# Altium PCB 测试板2.PcbDoc (part 1 of 2)
Units mm, origin at the board's own origin, x right, y up, seen from the top; angles counter-clockwise.
Board outline 90 x 100 mm, 2 copper layers (Top Layer, Bottom Layer); 63 components, 149 nets, 429 pads, 115 vias.
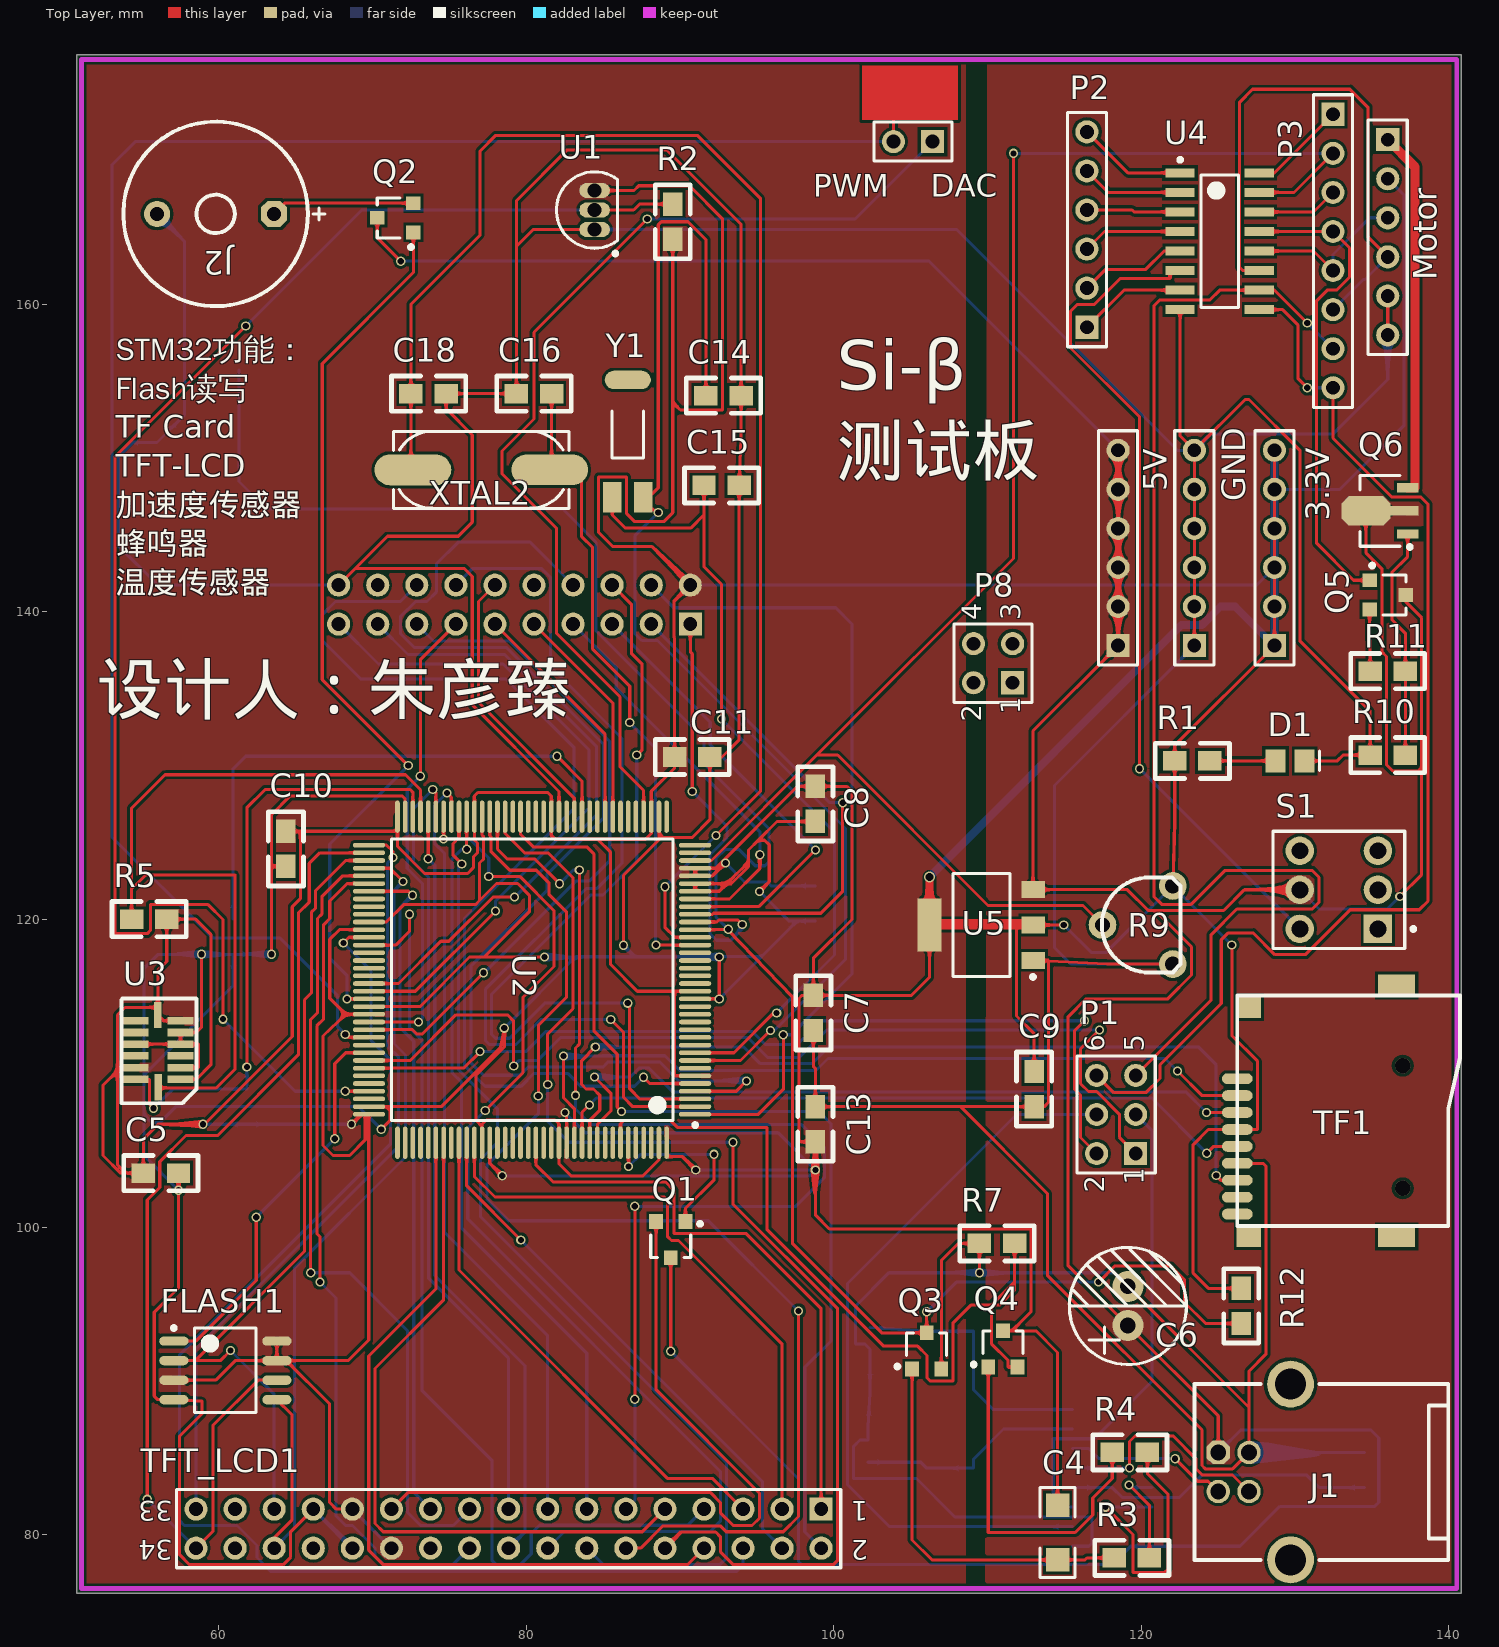
[diagram p0: Top Layer view]
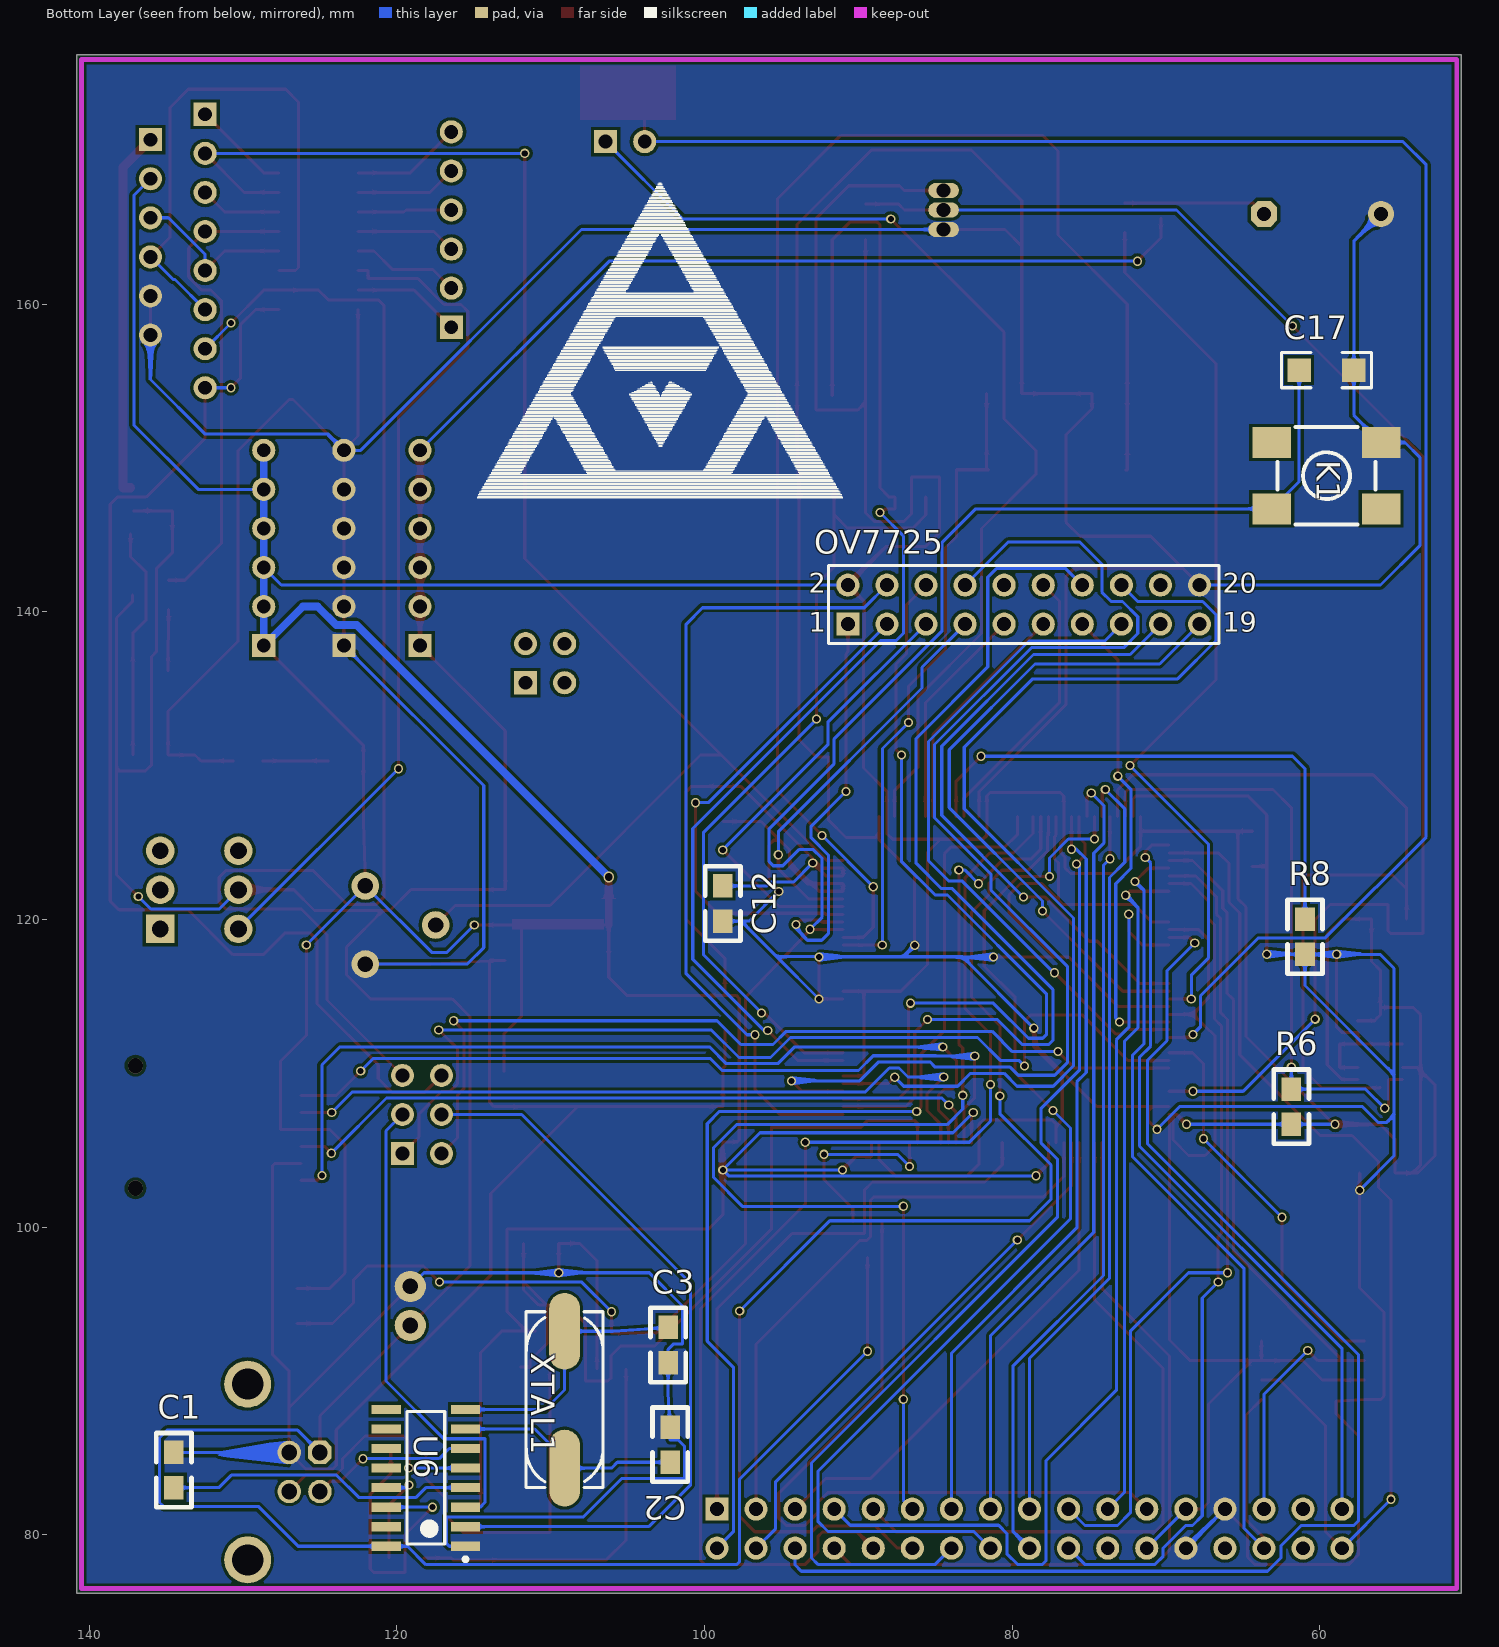
[diagram p1: Bottom Layer view, seen from below]

## Layer stack, top to bottom
Top Solder: solder mask 0.0102, Solder Resist, Dk 3.5
Top Layer: signal copper 0.0356
Dielectric 1: dielectric 0.32, FR-4, Dk 4.8
Bottom Layer: signal copper 0.0356
Bottom Solder: solder mask 0.0102, Solder Resist, Dk 3.5

## Board outline
50.8,76.2 140.8,76.2 140.8,176.2 50.8,176.2

## Design rules (kind name [scope] priority, off if disabled: settings)
Clearance [All] p1: gap=0.2
PolygonConnect [All] p1: connectstyle=Direct reliefconductorwidth=0.254 reliefentries=4 polygonreliefangle="90 Angle" airgapwidth=0.254
RoutingVias [All] p1: holewidth=0.4 width=0.6 viastyle="Blind Buried (Adjacent Layers)" minholewidth=0.3 minwidth=0.5 maxholewidth=0.711 maxwidth=1.27
SolderMaskExpansion [All] p1: expansion=0.102
Width [All] p1: maxlimit=0.6 minlimit=0.2 preferedwidth=0.2
30 further rules are at their usual default settings.

## Classes and differential pairs
net class Route: ADC ANALOG0 ANALOG1 ANALOG2 ANALOG3 ANALOG4 ANALOG6 ANALOG7 ANALOG8 BEEP_OE BOOT0 CAMERA_D0 CAMERA_D1 CAMERA_D2 CAMERA_D3 CAMERA_D4 CAMERA_D5 CAMERA_D6 CAMERA_D7 CAMERA_OE CAMERA_RCLK CAMERA_RRST CAMERA_SCL CAMERA_SDA CAMERA_VSYNC CAMERA_WEN CAMERA_WRST DAC1 DS18B20_DATA DTR FLASH_CS FSMC_A0 FSMC_A1 FSMC_A2 FSMC_A3 FSMC_A4 FSMC_A5 FSMC_A6 FSMC_A7 FSMC_A8 FSMC_A9 FSMC_A10 FSMC_A11 FSMC_A12 FSMC_A13 FSMC_A14 FSMC_A15 FSMC_A16 FSMC_A17 FSMC_A18 FSMC_CLK FSMC_D0 FSMC_D1 FSMC_D2 FSMC_D3 FSMC_D4 FSMC_D5 FSMC_D6 FSMC_D7 FSMC_D8 FSMC_D9 FSMC_D10 FSMC_D11 FSMC_D12 FSMC_D13 FSMC_D14 FSMC_D15 FSMC_NBL0 FSMC_NBL1 FSMC_NCE4 FSMC_NE4 FSMC_NOE FSMC_NWE GPIO_OUT_0 GPIO_OUT_1 GPIO_OUT_2 GPIO_OUT_3 GPIO_OUT_4 GPIO_OUT_5 GPIO_OUT_6 GPIO_OUT_7 GPIO_OUT_8 GPIO_OUT_9 GPIO_OUT_10 IIC1_SCL IIC1_SDA IIC2_SCL IIC2_SDA INT0 INT1 LCD_BK LCD_LED MOTOR_PWM NetC1_1 NetC4_2 NetCH1_5 NetCH1_6 NetD1_1 NetJ2_1 NetP2_1 NetP2_2 NetP2_3 NetP2_4 NetP2_5 NetP2_6 NetP3_1 NetP3_3 NetP4_1 NetQ4_1 NetQ5_2 NetQ6_1 NetR8_2 NetS1_2 NRST OSC32_IN OSC32_OUT OSC_IN OSC_OUT PWM1 PWM2 RTS SPI1_CSK SPI1_MISO SPI1_MOSI SPI2_MISO SPI2_MOSI SPI2_SCK STC15_RXD STC15_TXD STM32_RXD STM32_TXD TF_CS TF_MISO TF_MOSI TF_SCK TOUCH_CS USART1_RXD USART1_TXD USART2_RXD USART2_TXD USART3_RXD USART3_TXD USBDM USBDP XI XO

## Components (designator, comment, footprint, x,y, rotation, side; value= is the part's Value field where it differs from the comment)
3.3V "3.3V" HDR1X6 128.651,137.795 r90 top (schematic designator P5)
5V "5V" HDR1X6 118.491,137.795 r90 top (schematic designator P7)
C1 "Cap" 0805 134.493,83.058 r90 bottom
C2 "CAP" 0805 102.235,86.995 r270 bottom
C3 "CAP" 0805 102.362,91.186 r90 bottom
C4 "Cap" 1206 114.554,80.137 r270 top
C5 "Cap" 0805 57.404,103.505 r180 top
C6 "Cap Pol2" RB.1/.3 119.126,93.599 r270 top
C7 "Cap" 0805 98.679,112.776 r90 top
C8 "Cap" 0805 98.806,126.365 r90 top
C9 "Cap" 0805 113.03,107.823 r90 top
C10 "Cap" 0805 64.389,123.444 r90 top
C11 "Cap" 0805 91.948,130.556 r180 top
C12 "Cap" 0805 98.806,119.888 r90 bottom
C13 "Cap" 0805 98.806,107.823 r270 top
C14 "CAP" 0805 93.98,154.051 r180 top
C15 "CAP" 0805 93.853,148.209 r180 top
C16 "CAP" 0805 79.375,154.178 r0 top
C17 "Cap" 1206 59.563,155.702 r0 bottom
C18 "CAP" 0805 74.803,154.178 r180 top
D1 "LED0" LED-0805 129.667,130.302 r0 top
DAC "Header 2" HDR1X2 106.426,170.561 r180 top
FLASH1 "W25Q64" 8S2_L 60.452,90.678 r0 top
GND "GND" HDR1X6 123.444,137.795 r90 top (schematic designator P6)
J1 "USB" USB_B1 124.968,84.074 r0 top
J2 "BEEP-S" BEEP-S 59.817,165.862 r180 top
K1 "button" SW_PB4_A1 59.563,148.844 r180 bottom
Motor "Motor" HDR1X6 136.017,170.688 r270 top (schematic designator P4)
OV7725 "OV7725摄像头" HDR2X10 90.678,139.192 r180 bottom (schematic designator OV1)
P1 "Change" HDR2X3 119.634,104.775 r90 top
P2 "Header 6" HDR1X6 116.459,158.496 r90 top
P3 "Header 8" HDR1X8 132.461,172.339 r270 top
P8 "Stick" HDR2X2 111.633,135.382 r90 top
Q1 "NPN" SOT23-3 89.408,99.187 r180 top
Q2 "NPN" SOT23-3 71.501,165.608 r90 top
Q3 "NPN" SOT23-3 106.045,91.948 r0 top
Q4 "NPN" SOT23-3 110.998,92.075 r0 top
Q5 "NPN" SOT23-3 136.017,141.097 r270 top
Q6 "NPN" SOT89N 135.509,146.558 r180 top
R1 "Res2" 0805 122.174,130.302 r0 top
R2 "Res2" 0805 89.535,164.211 r90 top
R3 "Res2" 0805 118.237,78.486 r0 top
R4 "Res2" 0805 118.11,85.344 r0 top
R5 "Res2" 0805 56.642,120.015 r180 top
R6 "Res2" 0805 61.849,106.68 r90 bottom
R7 "Res2" 0805 109.474,98.933 r0 top
R8 "Res2" 0805 60.96,117.729 r90 bottom
R9 "10K" RVR-2 121.031,119.634 r270 top
R10 "Res2" 0805 134.874,130.683 r0 top
R11 "Res2" 0805 134.874,136.144 r0 top
R12 "RES" 0805 126.492,93.726 r90 top
S1 "SW-SPST" SWITCH_B1 132.842,121.92 r180 top
TF1 "TF CARD" TFP09-2-12B 126.492,107.442 r90 top
TFT_LCD1 "Component_1" HDR2X17 99.187,81.661 r180 top
U1 "DS18B20" TO-92A 84.455,166.116 r0 top
U2 "STM32F103ZET6" TQFP-144 80.391,116.078 r180 top
U3 "ADXL345" PCBComponent_1 56.261,114.3 r180 top
U4 "STC15W408AS" SOIC127P600X170-16N 125.095,164.084 r0 top
U5 "ASM1117" SOT223 109.601,119.634 r90 top
U6 "Component_1" SOIC127P600X170-16N 118.11,83.693 r0 bottom (schematic designator CH1)
XTAL1 "CRYSTAL" X-SM49 109.093,88.773 r90 bottom
XTAL2 "CRYSTAL" X-SM49 77.089,149.225 r180 top
Y1 "32K晶振" X-TC15 86.614,147.447 r180 top

## Footprints (in the part's own frame and the unit in brackets; to place one, negate y for a bottom-side part, rotate by r counter-clockwise, add the part's x,y. Pads: shape width x height; smd on the part's side, far side on the other; paste and mask are expansions set on the pad)
8S2_L [mm] "8-Pin Small Outline Package 1.27 mm Pitch, IPC High Density"
  oval 1.9x0.6 smd: 1(-3.35,1.905) 2(-3.35,0.635) 3(-3.35,-0.635) 4(-3.35,-1.905) 5(3.35,-1.905) 6(3.35,-0.635) 7(3.35,0.635) 8(3.35,1.905)
  silkscreen extent -3.47,-2.75 2,2.88, body extent -2.73,-2.75 2.73,2.75, height 2.03
0805 [mil]
  rect 60x50 smd: 1(0,0) 2(90,0)
  silkscreen extent -50,-45 140,45
1206 [mil] "贴片元件"
  rect 60x60 smd: 1(-70,0) 2(70,0)
  silkscreen extent -115,-45 115,45, body extent -75,-35 75,35, height 39
BEEP-S [mm] "有源蜂鸣器"
  oct 1.7x1.7 hole 0.9: 1(-3.8,0)
  round 1.7 hole 0.9: 2(3.8,0)
  silkscreen extent -7.11,-6 6,6
HDR1X2 [mm] "Connector; Header; 2 Position"
  rect 1.5x1.5 hole 0.9: 1(0,0)
  round 1.5 hole 0.9: 2(2.54,0)
  silkscreen extent -1.27,-1.27 3.81,1.27
HDR1X6 [mm] "Connector; Header; 6 Position"
  rect 1.5x1.5 hole 0.9: 1(0,0)
  round 1.5 hole 0.9: 2(2.54,0) 3(5.08,0) 4(7.62,0) 5(10.16,0) 6(12.7,0)
  silkscreen extent -1.27,-1.27 13.97,1.27
HDR1X8 [mm] "Connector; Header; 8 Position"
  rect 1.5x1.5 hole 0.9: 1(0,0)
  round 1.5 hole 0.9: 2(2.54,0) 3(5.08,0) 4(7.62,0) 5(10.16,0) 6(12.7,0) 7(15.24,0) 8(17.78,0)
  silkscreen extent -1.27,-1.27 19.05,1.27
HDR2X2 [mm] "Connector; Header; 2x2 Position"
  rect 1.5x1.5 hole 0.9: 1(0,0)
  round 1.5 hole 0.9: 2(0,2.54) 3(2.54,0) 4(2.54,2.54)
  silkscreen extent -1.27,-1.27 3.81,3.81
HDR2X3 [mm] "Connector; Header; 3x2 Position"
  rect 1.5x1.5 hole 0.9: 1(0,0)
  round 1.5 hole 0.9: 2(0,2.54) 3(2.54,0) 4(2.54,2.54) 5(5.08,0) 6(5.08,2.54)
  silkscreen extent -1.27,-1.27 6.35,3.81
HDR2X10 [mm] "Connector; Header; 10x2 Position"
  rect 1.5x1.5 hole 0.9: 1(0,0)
  round 1.5 hole 0.9: 2(0,2.54) 3(2.54,0) 4(2.54,2.54) 5(5.08,0) 6(5.08,2.54) 7(7.62,0) 8(7.62,2.54) 9(10.16,0) 10(10.16,2.54) 11(12.7,0) 12(12.7,2.54) 13(15.24,0) 14(15.24,2.54) 15(17.78,0) 16(17.78,2.54) 17(20.32,0) 18(20.32,2.54) 19(22.86,0) 20(22.86,2.54)
  silkscreen extent -1.27,-1.27 24.13,3.81
HDR2X17 [mm] "Connector; Header; 17x2 Position"
  rect 1.5x1.5 hole 0.9: 1(0,0)
  round 1.5 hole 0.9: 2(0,2.54) 3(2.54,0) 4(2.54,2.54) 5(5.08,0) 6(5.08,2.54) 7(7.62,0) 8(7.62,2.54) 9(10.16,0) 10(10.16,2.54) 11(12.7,0) 12(12.7,2.54) 13(15.24,0) 14(15.24,2.54) 15(17.78,0) 16(17.78,2.54) 17(20.32,0) 18(20.32,2.54) 19(22.86,0) 20(22.86,2.54) 21(25.4,0) 22(25.4,2.54) 23(27.94,0) 24(27.94,2.54) 25(30.48,0) 26(30.48,2.54) 27(33.02,0) 28(33.02,2.54) 29(35.56,0) 30(35.56,2.54) 31(38.1,0) 32(38.1,2.54) 33(40.64,0) 34(40.64,2.54)
  silkscreen extent -1.27,-1.27 41.91,3.81
LED-0805 [mm] "贴片LED"
  rect 1.3x1.5 smd: 1(-0.95,0) 2(0.95,0)
  silkscreen extent 1.91,-0.64 1.91,0.64
PCBComponent_1 [mm]
  rect 1.7x0.5 smd: 1(-1.27,4.699) 2(-1.27,3.937) 3(-1.27,3.175) 4(-1.27,2.413) 5(-1.27,1.651) 6(-1.27,0.889) 8(1.651,0.889) 9(1.651,1.651) 10(1.651,2.413) 11(1.651,3.175) 12(1.651,3.937) 13(1.651,4.699)
  rect 0.5x1.7 smd: 7(0.195,0.518) 14(0.176,5.21)
  silkscreen extent -2.31,-0.55 2.57,6.26
RB.1/.3 [mil]
  round 80 hole 40: 1(0,0) 2(-100,0)
  silkscreen extent -200,-150 100,150
RVR-2 [mm]
  round 1.8 hole 1: 1(-2.54,1.016) 2(0,-3.556) 3(2.54,1.016)
  silkscreen extent -3.09,-3.6 3.09,1.52, body extent -3.2,-4.52 3.2,2.48, height 7.5
SOIC127P600X170-16N [mm] "SOIC, 16-Leads, Body 8.6x4.0mm (max), Pitch 1.27mm, IPC Medium Density"
  rect 1.9x0.6 smd: 1(-2.575,4.445) 2(-2.575,3.175) 3(-2.575,1.905) 4(-2.575,0.635) 5(-2.575,-0.635) 6(-2.575,-1.905) 7(-2.575,-3.175) 8(-2.575,-4.445) 9(2.575,-4.445) 10(2.575,-3.175) 11(2.575,-1.905) 12(2.575,-0.635) 13(2.575,0.635) 14(2.575,1.905) 15(2.575,3.175) 16(2.575,4.445)
  silkscreen extent -2.7,-4.3 1.22,5.42, body extent -1.98,-4.28 1.97,4.28, height 1.7
SOT23-3 [mm]
  rect 0.9x0.95 smd: 1(-0.95,-1.175) 2(0.95,-1.175) 3(0,1.175)
  silkscreen extent -2.03,-1.14 1.3,1.18, body extent -1.45,-1.4 1.45,1.4, height 1.2
SOT89N [mm] "SOT89, 3-Leads, Body 4.5x2.4 mm, Pitch 1.5mm, Lead Span 4.1mm, IPC Medium Density"
  rect 1.4x0.6 smd: 1(-1.8,1.5) 3(-1.8,-1.5)
  rect 1.8x0.6 smd: 2(-1.6,0)
  oct 3.2x1.9 smd: 2(0.9,0)
  silkscreen extent -2.07,-2.3 1.3,2.47, body extent -1.3,-2.3 1.3,2.3, height 1.6
SOT223 [mm]
  rect 1.1x1.55 smd: 1(-2.3,-3.375) 2(0,-3.375) 3(2.3,-3.375)
  rect 3.45x1.55 smd: 4(0,3.375)
  silkscreen extent -3.5,-3.48 3.35,1.85, body extent -3.25,-3.48 3.25,3.48, height 1.7
SW_PB4_A1 [mm]
  rect 2.5x2 smd: 1(-3.556,2.159) 2(-3.556,-2.159) 3(3.556,-2.159) 4(3.556,2.159)
  silkscreen extent -3.17,-3.18 3.17,3.18, body extent -3.18,-3.18 3.18,3.18, height 6
SWITCH_B1 [mm] "单刀"
  rect 1.85x1.85 hole 1.1: 1(-2.54,2.54)
  round 1.85 hole 1.1: 2(-2.54,0) 3(-2.54,-2.54) 4(2.54,-2.54) 5(2.54,0) 6(2.54,2.54)
  silkscreen extent -4.96,-3.81 4.28,3.81
TFP09-2-12B [mm]
  oval 0.7x2 smd: 1(2.2,0.254) 2(1.1,0.254) 3(0,0.254) 4(-1.1,0.254) 5(-2.2,0.254) 6(-3.3,0.254) 7(-4.4,0.254) 8(-5.5,0.254) 9(-6.6,0.254)
  rect 1.4x1.6 smd: 10(6.85,-0.5) 11(-8.054,-0.5)
  rect 1.4x2.4 smd: 12(8.258,-10.1) 13(-8.054,-10.1)
  silkscreen extent -7.37,-14.22 7.62,0.25
TO-92A [mm] "TO, Flat Index; 3 In-Line, Axial Leads; Body Dia. 4.5mm; Leads 0.51 x 0.48 mm (max)"
  oval 2x1 hole 0.9: 1(0,-1.27) 2(0,0) 3(0,1.27)
  silkscreen extent -2.48,-2.95 1.5,2.48, body extent -2.5,-2.5 1.5,2.5, height 6.86
TQFP-144 [mm] "TTM32V103ZET6"
  oval 2.1x0.3 smd: 1(-10.6,8.75) 2(-10.6,8.25) 3(-10.6,7.75) 4(-10.6,7.25) 5(-10.6,6.75) 6(-10.6,6.25) 7(-10.6,5.75) 8(-10.6,5.25) 9(-10.6,4.75) 10(-10.6,4.25) 11(-10.6,3.75) 12(-10.6,3.25) 13(-10.6,2.75) 14(-10.6,2.25) 15(-10.6,1.75) 16(-10.6,1.25) 17(-10.6,0.75) 18(-10.6,0.25) 19(-10.6,-0.25) 20(-10.6,-0.75) 21(-10.6,-1.25) 22(-10.6,-1.75) 23(-10.6,-2.25) 24(-10.6,-2.75) 25(-10.6,-3.25) 26(-10.6,-3.75) 27(-10.6,-4.25) 28(-10.6,-4.75) 29(-10.6,-5.25) 30(-10.6,-5.75) 31(-10.6,-6.25) 32(-10.6,-6.75) 33(-10.6,-7.25) 34(-10.6,-7.75) 35(-10.6,-8.25) 36(-10.6,-8.75) 73(10.6,-8.75) 74(10.6,-8.25) 75(10.6,-7.75) 76(10.6,-7.25) 77(10.6,-6.75) 78(10.6,-6.25) 79(10.6,-5.75) 80(10.6,-5.25) 81(10.6,-4.75) 82(10.6,-4.25) 83(10.6,-3.75) 84(10.6,-3.25) 85(10.6,-2.75) 86(10.6,-2.25) 87(10.6,-1.75) 88(10.6,-1.25) 89(10.6,-0.75) 90(10.6,-0.25) 91(10.6,0.25) 92(10.6,0.75) 93(10.6,1.25) 94(10.6,1.75) 95(10.6,2.25) 96(10.6,2.75) 97(10.6,3.25) 98(10.6,3.75) 99(10.6,4.25) 100(10.6,4.75) 101(10.6,5.25) 102(10.6,5.75) 103(10.6,6.25) 104(10.6,6.75) 105(10.6,7.25) 106(10.6,7.75) 107(10.6,8.25) 108(10.6,8.75)
  oval 0.3x2.1 smd: 37(-8.75,-10.6) 38(-8.25,-10.6) 39(-7.75,-10.6) 40(-7.25,-10.6) 41(-6.75,-10.6) 42(-6.25,-10.6) 43(-5.75,-10.6) 44(-5.25,-10.6) 45(-4.75,-10.6) 46(-4.25,-10.6) 47(-3.75,-10.6) 48(-3.25,-10.6) 49(-2.75,-10.6) 50(-2.25,-10.6) 51(-1.75,-10.6) 52(-1.25,-10.6) 53(-0.75,-10.6) 54(-0.25,-10.6) 55(0.25,-10.6) 56(0.75,-10.6) 57(1.25,-10.6) 58(1.75,-10.6) 59(2.25,-10.6) 60(2.75,-10.6) 61(3.25,-10.6) 62(3.75,-10.6) 63(4.25,-10.6) 64(4.75,-10.6) 65(5.25,-10.6) 66(5.75,-10.6) 67(6.25,-10.6) 68(6.75,-10.6) 69(7.25,-10.6) 70(7.75,-10.6) 71(8.25,-10.6) 72(8.75,-10.6) 109(8.75,10.6) 110(8.25,10.6) 111(7.75,10.6) 112(7.25,10.6) 113(6.75,10.6) 114(6.25,10.6) 115(5.75,10.6) 116(5.25,10.6) 117(4.75,10.6) 118(4.25,10.6) 119(3.75,10.6) 120(3.25,10.6) 121(2.75,10.6) 122(2.25,10.6) 123(1.75,10.6) 124(1.25,10.6) 125(0.75,10.6) 126(0.25,10.6) 127(-0.25,10.6) 128(-0.75,10.6) 129(-1.25,10.6) 130(-1.75,10.6) 131(-2.25,10.6) 132(-2.75,10.6) 133(-3.25,10.6) 134(-3.75,10.6) 135(-4.25,10.6) 136(-4.75,10.6) 137(-5.25,10.6) 138(-5.75,10.6) 139(-6.25,10.6) 140(-6.75,10.6) 141(-7.25,10.6) 142(-7.75,10.6) 143(-8.25,10.6) 144(-8.75,10.6)
  silkscreen extent -10.73,-9.15 9.15,9.57, body extent -10,-10 10,10, height 1.6
USB_B1 [mil] "USB方孔"
  oct 60x60 hole 40: 1(1.26,50)
  round 60 hole 40: 2(1.26,-50) 3(80,-50) 4(80,50)
  round 120 hole 80: 5(186.3,225) 6(186.3,-225)
  silkscreen extent -60,-225 590,225
X-SM49 [mm]
  oval 5x2 smd: 1(4.45,0.004) 2(-4.45,-0.004)
  silkscreen extent -5.7,-2.5 5.72,2.5, body extent -6.7,-2.46 6.7,2.44, height 4
X-TC15 [mm] "圆柱晶振1"
  rect 1.2x2 smd: 1(-1,0) 2(1,0)
  oval 3x1.2 smd: 3(0,-7.62)
  silkscreen extent -1.02,-5.59 1.02,-2.54, body extent -1,-8.29 1,0, height 1.99

## Part data
3.3V 5V GND Motor: library part "Header 6", "Header, 6-Pin"
C1 C4 C5 C7 C8 C9 C10 C11 C12 C13 C17: "Capacitor"
C6: "Polarized Capacitor (Axial)"
D1: "发光二极管"
DAC: "Header, 2-Pin"
J1: "USB接口"
J2: "有源蜂鸣器"
P1: library part "Header 3X2", "Header, 3-Pin, Dual row"
P2: "Header, 6-Pin"
P3: "Header, 8-Pin"
P8: library part "Header 2X2", "Header, 2-Pin, Dual row"
Q1 Q2 Q3 Q4 Q5 Q6: library part NPN1, "贴片三极管"
R1 R2 R3 R4 R5 R6 R7 R8 R10 R11: "Resistor"
R9: library part VR
S1: "Single-Pole, Single-Throw Switch"
U1: "温度传感器"
U5: "3.3V稳压芯片"

## Via types
v1: diameter 0.6, hole 0.4, Top Layer to Bottom Layer, 112 vias
v2: diameter 1, hole 1, Top Layer to Bottom Layer, 2 vias
v3: diameter 0.7, hole 0.5, Top Layer to Bottom Layer, 1 vias

## Nets (pads, with @x,y where several pads share a name; then routed paths per layer and width w, separated by ;. In a path a pad name is that pad's centre, name@x,y a point inside that pad or via, vN(x,y) a via of type N, cw(c..) or ccw(c..) an arc to the next point about the centre after c; other vN are vias at no path point)
3.3V: 3.3V.1 3.3V.2 3.3V.3 3.3V.4 3.3V.5 3.3V.6 C4.1 C5.2 C7.2 C8.2 C9.2 C10.2 C11.2 C12.2 C13.2 FLASH1.3 FLASH1.7 FLASH1.8 Motor.2 OV7725.2 Q4.3 R1.1 R2.1 R5.1 R6.1 R9.1 R12.2 TF1.4 TFT_LCD1.24 TFT_LCD1.25 U1.3 U2.6 U2.17 U2.32 U2.33 U2.39 U2.52 U2.62 U2.72 U2.84 U2.95 U2.108 U2.121 U2.131 U2.144 U3.1 U3.6 U3.7 U3.12 U5.2 U5.4 | length 653.9
  Top Layer w0.2: U3.12@54.61,110.363 53.645,110.363 53.442,110.16 ; FLASH1.3@57.102,90.043 59.817,90.043 61.087,91.313 FLASH1.7@63.802,91.313 ; U3.1@57.531,109.601 58.572,109.601 59.512,110.541 59.512,119.024 58.522,120.015 R5.1@56.642,120.015 56.642,117.264 56.066,116.688 U3.7@56.066,114.275 ; U3.6@57.531,113.411 56.437,113.411 U3.7@56.066,113.782 U3.7@56.066,114.275 ; v1(59.004,106.68) 56.083,106.68 ; FLASH1.8@63.802,92.583 FLASH1.7@63.802,91.313 ; C10.2@64.389,125.73 65.329,125.73 ; v1(68.656,106.68) 69.304,107.328 U2.108@69.545,107.328 ; TFT_LCD1.25@68.707,81.661 67.666,81.661 67.234,82.093 67.234,88.494 FLASH1.7@64.414,91.313 ; U2.108@69.791,107.328 U2.108@69.774,107.328 ; U2.95@69.791,113.828 68.275,113.828 ; U2.84@69.791,119.328 67.869,119.328 67.241,118.7 67.241,114.862 68.275,113.828 ; U2.72@71.641,126.678 U2.72@71.641,125.73 ; U2.121@77.641,105.478 77.641,104.14 v1(78.453,103.328) ; v1(82.525,107.442) 82.641,107.326 U2.131@82.641,105.478 ; U1.3@84.455,167.386 87.02,167.386 87.325,167.691 90.625,167.691 92.761,165.555 92.761,153.111 90.043,153.111 89.535,153.619 ; U2.144@89.141,105.478 89.141,104.572 90.17,104.572 v1(91.034,103.708) ; R2.1@89.535,164.211 89.535,153.619 ; U2.6@90.991,109.828 89.637,109.828 89.637,115.328 ; U2.17@90.991,115.328 89.637,115.328 ; v1(92.964,123.673) 92.119,122.828 U2.32@90.991,122.828 U2.33@90.991,123.328 92.329,123.328 97.652,128.651 C8.2@98.806,128.651 100.842,128.651 101.194,128.3 101.194,119.99 98.679,117.475 C7.2@98.679,115.062 ; Q4.3@110.998,93.25 111.589,93.25 ; C9.2@113.03,110.109 113.03,112.573 111.887,113.716 111.887,119.355 112.166,119.634 ; C4.1@114.554,81.915 114.554,91.846 113.15,93.25 111.589,93.25 ; v1(114.96,119.634) U5.2@112.976,119.634 112.166,119.634 ; R9.1@122.047,122.174 122.174,126.365 R1.1@122.174,130.302 122.174,131.318 3.3V.1@128.651,137.795 3.3V.2@128.651,140.335 3.3V.3@128.651,142.875 3.3V.4@128.651,145.415 3.3V.5@128.651,147.955 3.3V.6@128.651,150.495 ; v1(125.882,118.339) 125.882,112.446 127.559,110.769 127.559,106.342 TF1.4@126.238,106.342 124.358,106.342 123.368,105.351 123.368,97.003 124.358,96.012 R12.2@126.492,96.012 ; 53.442,110.16 53.442,104.038 53.975,103.505 ; 53.442,110.16 53.442,113.792 53.924,114.275 U3.7@56.066,114.275 ; 53.442,110.16 52.502,109.22 52.502,104.648 53.645,103.505 53.975,103.505 ; 53.975,103.505 C5.2@55.118,103.505 55.118,105.715 56.083,106.68 ; 56.083,106.68 58.966,106.553 64.8,112.387 64.8,120.815 65.329,121.343 65.329,125.73 ; FLASH1.7@63.802,91.313 FLASH1.7@64.414,91.313 ; FLASH1.7@64.414,91.313 68.428,91.313 69.774,92.659 U2.108@69.774,107.328 ; 65.329,125.73 U2.72@71.641,125.73 ; 68.275,113.828 66.8,112.419 66.8,105.298 67.451,104.648 68.529,104.648 69.545,105.664 U2.108@69.545,107.328 ; U2.108@69.545,107.328 U2.108@69.774,107.328 ; U2.72@71.641,125.73 71.641,124.746 73.4,122.987 76.2,122.987 76.575,123.362 76.575,124.06 76.841,124.326 76.841,124.968 76.641,125.168 U2.62@76.641,126.678 76.641,128.016 76.87,128.245 81.412,128.245 81.641,128.016 U2.52@81.641,126.678 81.641,125.471 ; 81.641,125.471 81.904,125.207 87.771,125.207 88.141,125.578 U2.39@88.141,126.678 88.141,128.324 89.662,129.845 C11.2@89.662,130.556 89.662,138.303 89.611,138.354 89.611,140.665 OV7725.2@90.678,141.732 88.163,144.247 85.623,144.247 84.709,145.161 84.709,148.768 86.538,148.768 86.538,146.376 87.057,145.856 88.951,145.856 89.535,146.441 89.535,153.619 ; 81.641,125.471 81.641,125.445 81.89,125.197 84.658,125.197 85.496,124.358 85.496,117.069 87.237,115.328 89.637,115.328 ; C7.2@98.679,115.062 105.058,115.062 106.226,116.23 U5.4@106.226,119.634 112.166,119.634 ; C7.2@98.679,115.062 97.942,115.062 97.739,114.859 97.739,105.664 97.866,105.537 C13.2@98.806,105.537 v1(98.806,103.708) 98.806,100.787 99.72,99.873 112.827,99.873 112.827,94.488 111.589,93.25
  Top Layer w0.5: U5.4@106.226,119.634 v3(106.226,122.755)
  Bottom Layer w0.2: v1(59.004,106.68) R6.1@61.849,106.68 v1(68.656,106.68) ; TFT_LCD1.25@68.707,81.661 TFT_LCD1.24@71.247,79.121 ; v1(78.453,103.328) 98.426,103.328 v1(98.806,103.708) ; v1(82.525,107.442) 83.839,106.127 96.387,106.127 v1(98.806,103.708) ; OV7725.2@90.678,141.732 127.508,141.732 3.3V.3@128.651,142.875 ; v1(91.034,103.708) v1(98.806,103.708) ; v1(92.964,123.673) 94.202,122.434 95.682,122.434 95.942,122.174 C12.2@98.806,122.174 ; v1(114.96,119.634) 116.738,117.856 117.729,117.856 R9.1@122.047,122.174 v1(125.882,118.339) ; 3.3V.5@128.651,147.955 132.918,147.955 137.084,152.121 137.084,167.081 Motor.2@136.017,168.148
  Bottom Layer w0.5: v3(106.226,122.755) 122.606,139.135 123.941,139.135 125.141,140.335 126.111,140.335 3.3V.1@128.651,137.795 3.3V.2@128.651,140.335 3.3V.3@128.651,142.875 3.3V.4@128.651,145.415 3.3V.5@128.651,147.955 3.3V.6@128.651,150.495
ADC: P3.2 R9.2 U2.34 U4.15 | length 104.9
  Top Layer w0.2: U2.34@90.991,123.828 92.053,123.828 98.908,130.683 ; v1(111.684,169.799) 111.684,143.459 98.908,130.683 ; R9.2@117.475,119.634 116.205,120.904 110.033,120.904 100.254,130.683 98.908,130.683 ; U4.15@127.67,167.259 129.921,167.259 P3.2@132.461,169.799
  Bottom Layer w0.2: v1(111.684,169.799) P3.2@132.461,169.799
ANALOG0: U2.18
ANALOG1: U2.19
ANALOG2: U2.20
ANALOG3: U2.21
ANALOG4: U2.22
ANALOG6: U2.35
ANALOG7: U2.46
ANALOG8: U2.47
BEEP_OE: Q2.1 U2.93 | length 58.6
  Top Layer w0.2: v1(68.351,114.828) U2.93@69.791,114.828 ; v1(72.339,129.997) 66.751,135.585 66.751,156.127 72.676,162.052 Q2.1@72.676,164.658
  Bottom Layer w0.2: v1(68.351,114.828) 68.351,116.368 67.241,117.478 67.241,124.899 v1(72.339,129.997)
BOOT0: Q4.2 R7.2 U2.138 | length 53.6
  Top Layer w0.2: U2.138@86.141,105.478 86.141,106.715 86.36,106.934 89.383,106.934 89.84,106.477 95.631,106.477 95.656,106.451 95.656,99.847 103.251,92.253 105.461,92.253 106.07,91.643 106.07,90.195 106.274,89.992 107.747,89.992 107.747,93.751 108.915,94.92 110.248,94.92 ; R7.2@111.76,98.933 111.76,96.432 ; Q4.2@111.948,90.9 111.338,90.9 111.338,91.327 110.248,92.417 110.248,94.92 ; 110.248,94.92 111.76,96.432 ; 110.248,94.92 110.769,94.92 111.76,95.91 111.76,96.432
CAMERA_D0: OV7725.1 U2.26 | length 27.7
  Top Layer w0.2: OV7725.1@90.678,139.192 90.678,137.389 90.805,137.262 v1(90.805,128.321) ; U2.26@90.991,119.828 92.406,119.828 92.532,119.955 93.761,119.955 v1(94.056,119.659)
  Bottom Layer w0.2: v1(90.805,128.321) 93.066,126.06 93.066,125.298 91.948,124.181 91.948,119.075 92.38,118.643 93.31,118.643 94.056,119.39 v1(94.056,119.659)
CAMERA_D1: OV7725.3 U2.27 | length 33.2
  Top Layer w0.2: U2.27@90.991,120.328 92.115,120.328 92.186,120.398 99.162,120.398 100.584,121.821 v1(100.584,127.584)
  Bottom Layer w0.2: OV7725.3@88.138,139.192 99.746,127.584 v1(100.584,127.584)
CAMERA_D2: OV7725.5 U2.28 | length 29.5
  Top Layer w0.2: U2.28@90.991,120.828 95.123,120.828 v1(98.813,124.517)
  Bottom Layer w0.2: OV7725.5@85.598,139.192 91.977,132.813 91.977,131.353 v1(98.813,124.517)
CAMERA_D3: OV7725.7 U2.29 | length 25.9
  Top Layer w0.2: U2.29@90.991,121.328 93.228,121.328 95.199,123.299 v1(95.199,124.198)
  Bottom Layer w0.2: OV7725.7@83.058,139.192 85.865,136.385 85.865,135.039 95.199,125.705 v1(95.199,124.198)
CAMERA_D4: OV7725.9 U2.44 | length 14.6
  Top Layer w0.2: OV7725.9@80.518,139.192 85.641,134.069 U2.44@85.641,126.678
CAMERA_D5: OV7725.11 U2.45 | length 15.5
  Top Layer w0.2: OV7725.11@77.978,139.192 85.141,132.029 U2.45@85.141,126.678
CAMERA_D6: OV7725.13 U2.96 | length 30.9
  Top Layer w0.2: U2.96@69.791,113.328 v1(73.012,113.328) ; v1(73.127,129.311) 73.127,136.881 OV7725.13@75.438,139.192
  Bottom Layer w0.2: v1(73.012,113.328) 73.266,113.581 73.266,122.321 72.279,123.308 72.279,128.464 v1(73.127,129.311)
CAMERA_D7: OV7725.15 U2.97 | length 43.9
  Top Layer w0.2: U2.97@69.791,112.828 72.619,112.828 72.896,112.551 73.258,112.551 v1(77.239,116.532)
  Bottom Layer w0.2: OV7725.15@72.898,139.192 73.989,138.101 78.901,138.101 85.441,131.562 85.441,123.82 84.103,122.482 83.236,122.482 77.285,116.532 v1(77.239,116.532)
CAMERA_OE: OV7725.4 U2.1 | length 52.9
  Top Layer w0.2: U2.1@90.991,107.328 95.098,107.328 96.723,108.954 v1(96.723,112.498)
  Bottom Layer w0.2: OV7725.4@88.138,141.732 89.611,140.259 100.127,140.259 101.194,139.192 101.194,116.459 97.232,112.498 v1(96.723,112.498)
CAMERA_RCLK: OV7725.8 U2.4 | length 79.8
  Top Layer w0.2: U2.4@90.991,108.828 93.664,108.828 v1(94.336,109.499)
  Bottom Layer w0.2: OV7725.8@83.058,141.732 80.264,144.526 75.59,144.526 74.168,143.104 74.168,141.275 73.558,140.665 72.822,140.665 71.831,139.675 71.831,138.582 72.746,137.668 78.74,137.668 85.041,131.367 85.041,126.605 81.371,122.934 81.371,121.903 76.412,116.944 76.412,110.687 77.234,109.865 79.594,109.865 80.126,110.396 85.003,110.396 85.341,110.734 88.681,110.734 89.916,109.499 v1(94.336,109.499)
CAMERA_RRST: OV7725.6 U2.3 | length 54.6
  Top Layer w0.2: OV7725.6@85.598,141.732 86.868,140.462 86.868,137.262 87.544,136.585 87.544,131.029 v1(87.198,130.683) ; v1(86.614,114.554) 86.731,114.437 86.731,108.99 87.393,108.328 U2.3@90.991,108.328
  Bottom Layer w0.2: v1(86.614,114.554) 81.218,114.554 78.935,112.271 78.012,112.271 77.754,112.529 77.754,115.13 84.205,121.581 85.004,121.581 87.198,123.775 v1(87.198,130.683)
CAMERA_SCL: OV7725.17 U2.91 | length 41.3
  Top Layer w0.2: U2.91@69.791,115.828 71.712,115.828 74.461,118.577 74.981,118.577 77.852,121.448 v1(79.256,121.448)
  Bottom Layer w0.2: OV7725.17@70.358,139.192 72.327,137.223 78.606,137.223 84.573,131.255 84.573,126.765 v1(79.256,121.448)
CAMERA_SDA: OV7725.19 U2.92 | length 43
  Top Layer w0.2: U2.92@69.791,115.328 72.802,115.328 v1(78.021,120.547)
  Bottom Layer w0.2: OV7725.19@67.818,139.192 70.409,136.601 78.51,136.601 84.09,131.021 84.09,127.261 78.021,121.192 v1(78.021,120.547)
CAMERA_VSYNC: OV7725.12 U2.49 | length 18.1
  Top Layer w0.2: OV7725.12@77.978,141.732 76.911,140.665 76.911,134.112 83.141,127.882 U2.49@83.141,126.678
CAMERA_WEN: OV7725.16 U2.5 | length 68.1
  Top Layer w0.2: v1(87.63,109.734) 88.036,109.328 U2.5@90.991,109.328
  Bottom Layer w0.2: OV7725.16@72.898,141.732 71.831,140.665 67.615,140.665 66.751,139.802 66.751,138.125 69.24,135.636 78.664,135.636 83.111,131.189 83.111,127.191 76.012,120.092 76.012,110.476 77.337,109.152 79.681,109.152 80.517,109.987 82.704,109.987 83.539,109.152 87.047,109.152 v1(87.63,109.734)
CAMERA_WRST: OV7725.14 U2.2 | length 62.2
  Top Layer w0.2: v1(85.505,113.487) 86.331,112.661 86.331,108.431 86.935,107.828 U2.2@90.991,107.828
  Bottom Layer w0.2: OV7725.14@75.438,141.732 76.505,142.799 81.026,142.799 81.585,142.24 81.585,136.418 86.241,131.762 86.241,123.645 84.591,121.995 83.894,121.995 77.354,115.454 77.354,112.129 77.612,111.871 79.341,111.871 80.957,113.487 v1(85.505,113.487)
DAC1: DAC.1 U2.40 | length 67.2
  Top Layer w0.2: U2.40@87.641,126.678 87.641,128.386 86.106,129.921 86.106,134.468 81.991,138.582 81.991,145.415 78.435,148.971 78.435,150.444 80.518,152.527 80.518,158.166 v1(87.884,165.532)
  Bottom Layer w0.2: v1(87.884,165.532) 101.397,165.532 DAC.1@106.426,170.561